# Altium PCB MB1936.PcbDoc (part 8 of 13)
Units mm, origin at the board's own origin, x right, y up, seen from the top; angles counter-clockwise.
Board outline 172 x 137 mm, 6 copper layers (Top Layer, Signal Layer 1, Signal Layer 2, Signal Layer 3, Signal Layer 4, Bottom Layer), stack 1.549 mm thick; 859 components, 672 nets, 3477 pads, 2222 vias.
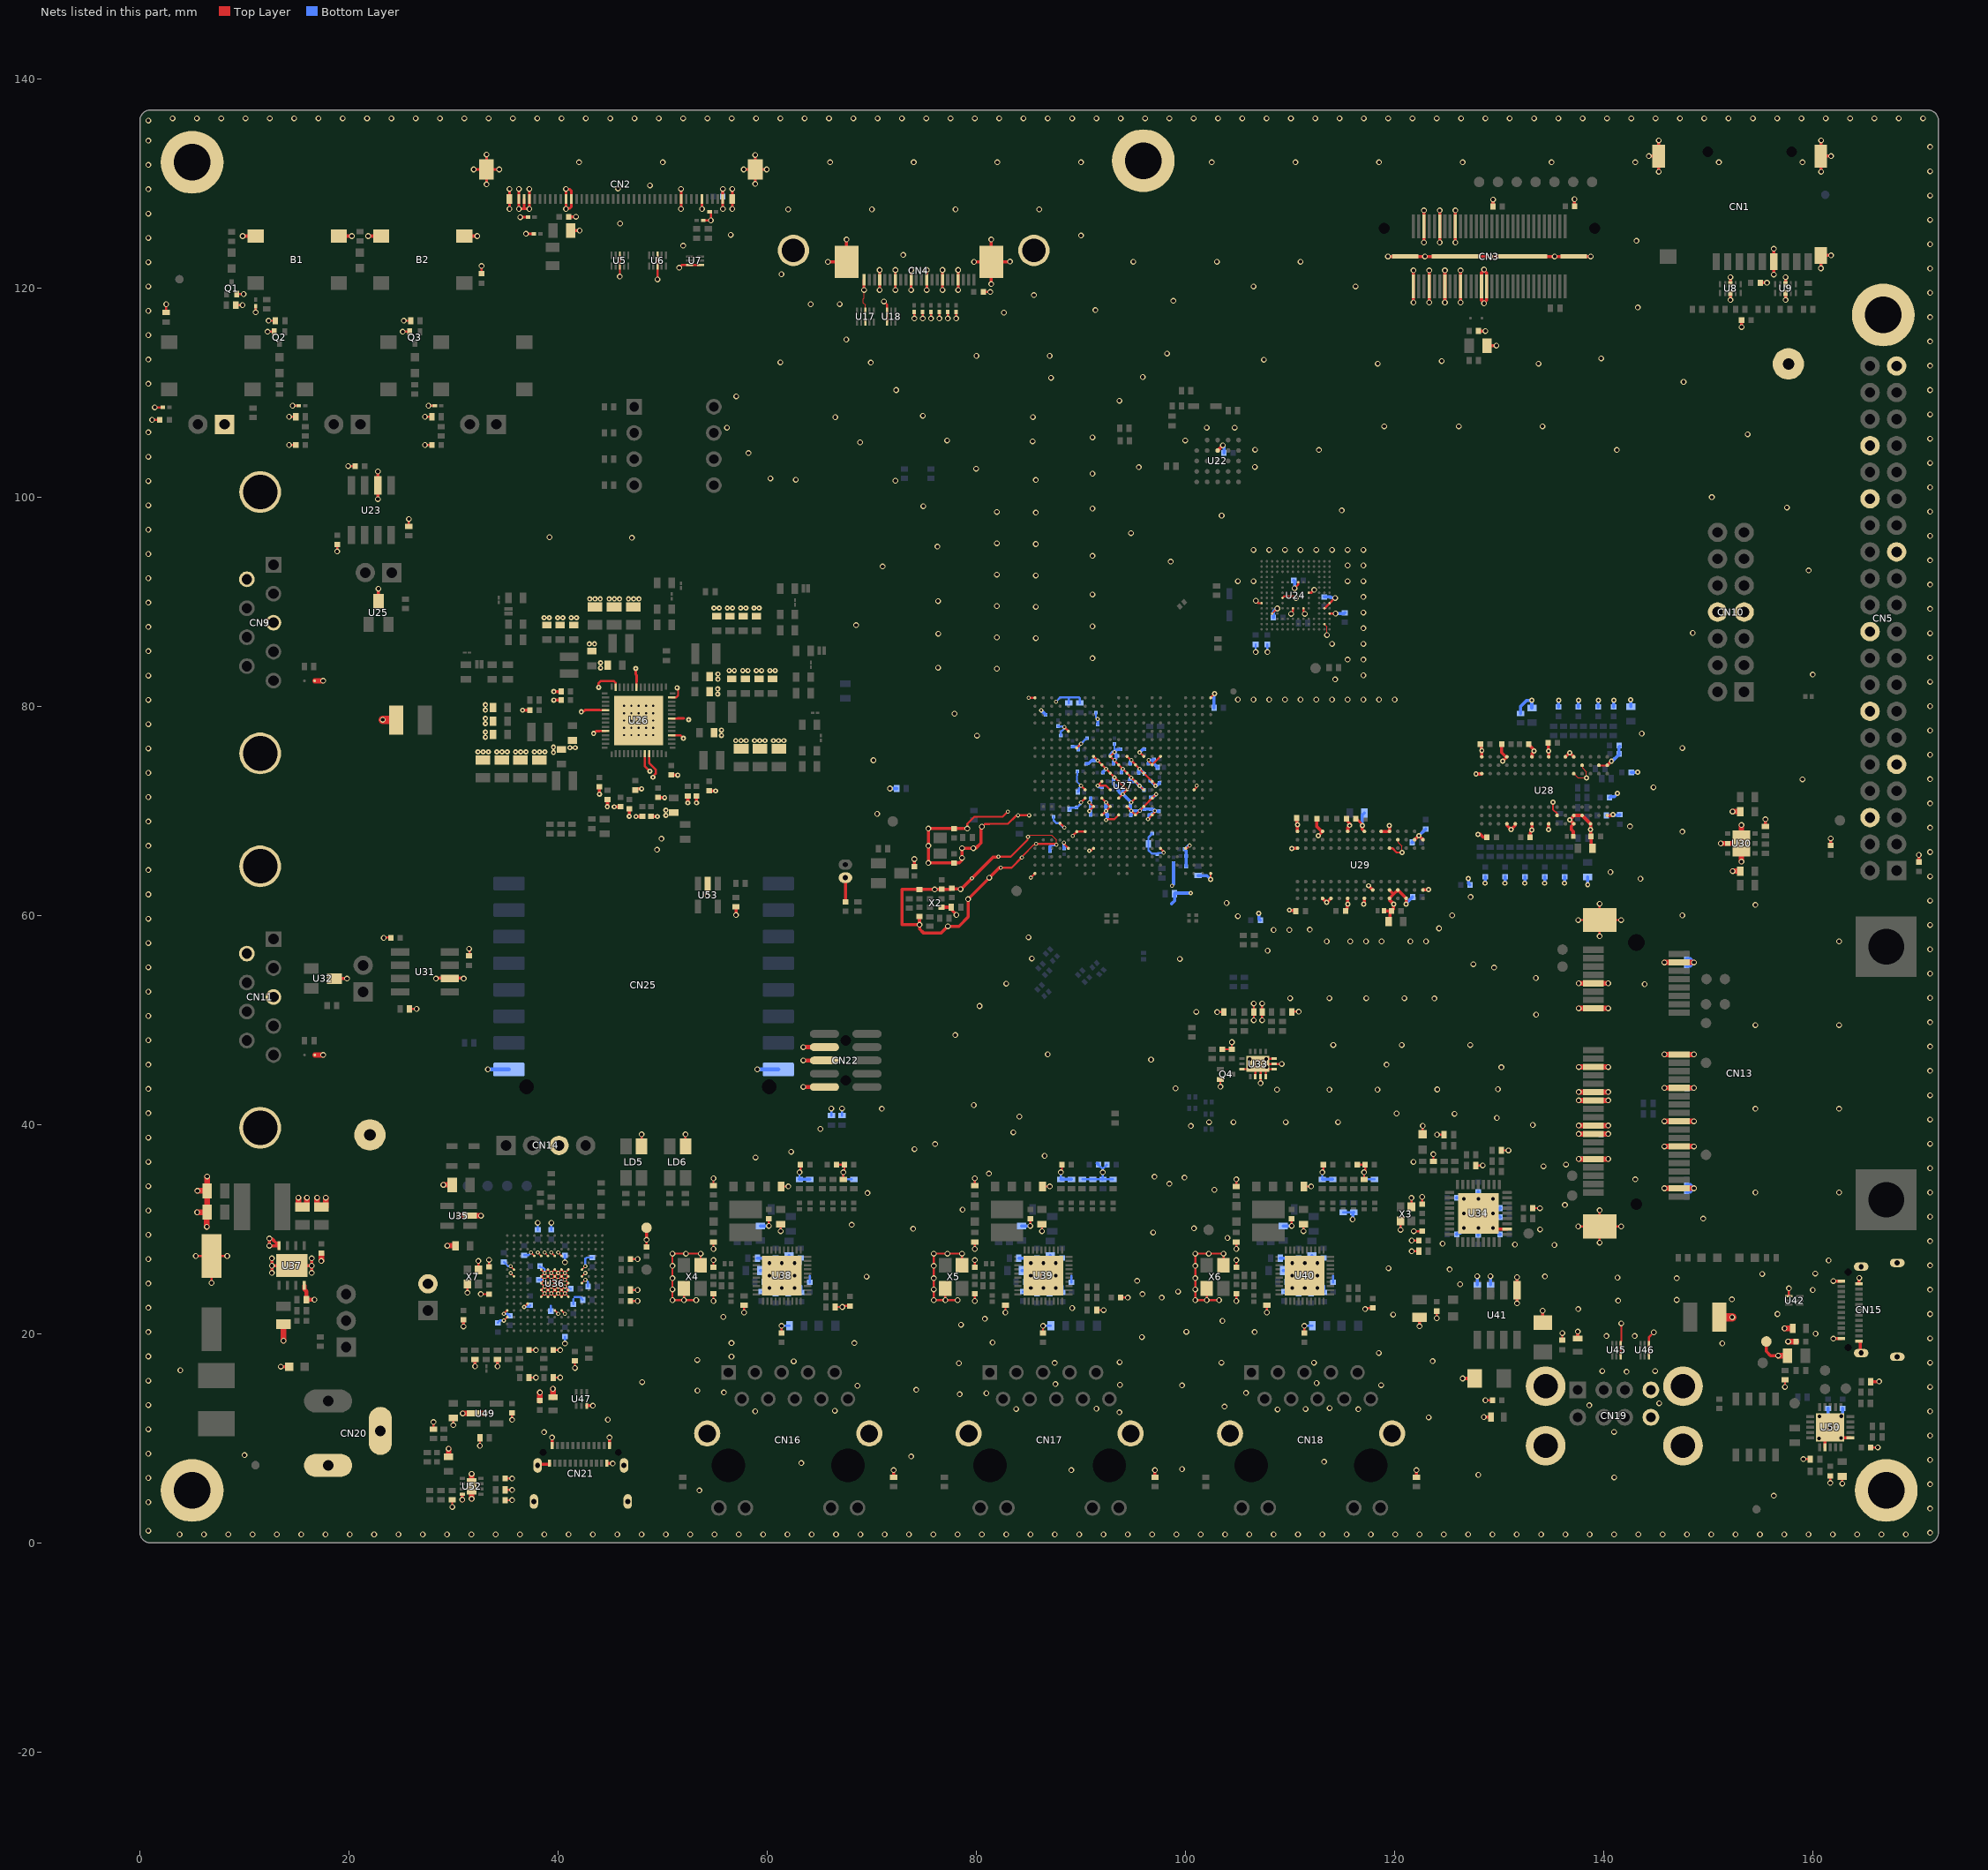
[diagram p12: the nets of this part, all layers, seen from the top]

## Via types
v1: diameter 0.55, hole 0.35, Top Layer to Bottom Layer, 1661 vias
v2: diameter 0.4, hole 0.2, Top Layer to Bottom Layer, tented both sides, 253 vias
v3: diameter 0.5, hole 0.2, Top Layer to Bottom Layer, 157 vias
v4: diameter 0.5, hole 0.25, Top Layer to Bottom Layer, 145 vias
v5: diameter 0.4, hole 0.2, Top Layer to Bottom Layer, 6 vias

## Nets (pads, with @x,y where several pads share a name; then routed paths per layer and width w, separated by ;. In a path a pad name is that pad's centre, name@x,y a point inside that pad or via, vN(x,y) a via of type N, cw(c..) or ccw(c..) an arc to the next point about the centre after c; other vN are vias at no path point) (continued)
GND: B1.3 B1.4 B2.1 B2.2 C1.1 C2.1 C3.1 C4.1 C5.1 C6.1 C7.1 C8.1 C9.1 C10.1 C11.1 C12.1 C13.1 C14.2 C15.1 C16.1 C17.1 C18.1 C21.1 C22.1 C23.1 C24.1 C26.1 C27.1 C28.1 C29.1 C30.1 C32.1 C34.1 C35.1 C36.1 C37.1 C38.1 C39.1 C40.1 C41.1 C42.2 C43.2 C44.1 C45.1 C46.1 C47.1 C48.1 C49.1 C50.1 C51.1 C52.1 C53.1 C54.1 C56.1 C57.1 C58.1 C59.1 C60.1 C61.1 C62.1 C63.2 C64.1 C65.2 C66.1 C67.1 C68.1 C69.2 C70.1 C71.1 C72.2 C73.2 C74.2 C75.2 C76.1 C77.1 C78.1 C79.1 C80.1 C81.2 C82.1 C83.1 C84.1 C85.1 C86.2 C87.1 C88.1 C89.1 C90.1 C91.1 C92.2 C93.1 C94.1 C95.1 C96.1 C99.1 C100.2 C101.1 C102.1 C103.1 C104.1 C105.1 C106.1 C107.1 C108.1 C109.1 C110.1 C111.1 C112.1 C113.2 C114.1 C115.1 C116.1 C117.1 C118.1 C119.1 C120.1 C121.1 C122.1 C123.1 C124.1 C125.1 C126.1 C127.2 C128.1 C129.1 C130.1 C131.1 C132.1 C133.2 C134.1 C135.1 C136.1 C137.1 C138.1 C139.1 C140.1 C141.1 C142.1 C143.1 C144.1 C145.1 C146.1 C147.2 C148.1 C149.1 C150.1 C152.1 C153.1 C154.1 C155.1 C156.1 C157.2 C158.2 C159.1 C160.1 C161.1 C163.1 C164.2 C165.1 C166.1 C168.1 C169.1 C170.1 C171.1 C172.1 C173.1 C174.1 C175.1 C177.1 C178.1 C179.1 C180.1 C181.1 C182.1 C183.1 C184.1 C185.1 C186.1 C187.1 C188.1 C189.1 C190.1 C191.1 C192.1 C193.1 C194.1 C195.1 C196.1 C197.1 C198.1 C199.1 C200.2 C201.1 C202.1 C203.1 C204.2 C205.1 C206.1 C207.1 C208.1 C209.1 C210.1 C211.1 C212.1 C213.1 C214.1 C215.2 C216.1 C217.1 C218.1 C219.2 C220.1 C221.1 C222.1 C223.1 C224.1 C225.1 C226.1 C227.1 C228.1 C229.2 C230.2 C231.1 C232.1 C233.2 C234.1 C235.1 C236.1 C237.1 C238.1 C239.1 C240.1 C241.2 C242.1 C243.1 C244.1 C245.1 C246.1 C247.1 C248.1 C249.1 C250.1 C251.1 C252.1 C253.1 C254.1 C255.1 C256.1 C257.1 C258.1 C259.1 C260.1 C261.1 C262.1 C264.1 C265.2 C266.2 C267.2 C268.2 C269.1 C270.1 C271.1 C272.2 C273.1 C274.2 C275.1 C276.1 C277.1 C278.1 C279.2 C280.2 C281.2 C282.2 C283.1 C284.1 C285.1 C286.1 C287.1 C288.1 C289.2 C290.2 C291.1 C292.1 C293.1 C294.1 C295.1 C296.1 C297.2 C298.2 C299.2 C300.1 C301.1 C302.1 C303.2 C304.1 C305.1 C306.1 C307.1 C308.1 C309.1 C310.2 C311.2 C312.1 C313.1 C314.1 C315.1 C316.1 C317.1 C318.1 C319.1 C320.1 C321.1 C322.1 C323.1 C324.2 C325.2 C326.2 C327.2 C328.2 C329.2 C330.1 C331.1 C332.1 C333.2 C334.2 C335.2 C336.1 CN1.6 CN1.10 CN1.11 CN1.12 CN2.1 CN2.5 CN2.9 CN2.30 CN2.31 CN2.38 CN2.39 CN2.40 CN2.41 CN2.42 CN2.43 CN2.44 CN3.1 CN3.6 CN3.7 CN3.12 CN3.13 CN3.18 CN3.19 CN3.27 CN3.29 CN3.61 CN3.62 CN3.63 CN3.64 CN4.1 CN4.4 CN4.7 CN4.10 CN4.13 CN4.16 CN4.19 CN4.S1 CN4.S2 CN5.6 CN5.9 CN5.14 CN5.20 CN5.25 CN5.30 CN5.34 CN5.39 CN6.1 CN9.3 CN9.6 CN9.MT1 CN9.MT2 CN10.7 CN10.8 CN11.3 CN11.6 CN11.MT1 CN11.MT2 CN12.2 CN13.4 CN13.9 CN13.15 CN13.18 CN13.21 CN13.26 CN13.27 CN13.29 CN13.34 CN13.35 CN13.37 CN13.40 CN13.43 CN13.50 CN13.53 CN13.54 CN14.3 CN15.A1 CN15.A12 CN15.B1 CN15.B12 CN15.SH1 CN15.SH2 CN15.SH3 CN15.SH4 CN16.15 CN16.16 CN17.15 CN17.16 CN18.15 CN18.16 CN19.B4 CN19.CH1 CN19.CH2 CN19.CH3 CN19.CH4 CN19.T4 CN20.2 CN20.3 CN21.A1 CN21.A12 CN21.B1 CN21.B12 CN21.SH1 CN21.SH2 CN21.SH3 CN21.SH4 CN22.3 CN22.5 CN22.9 CN25.8 CN25.9 JP3.2 LD5.3 LD6.3 LD11.2 LD12.2 pad.1 pad.5 pad.7 Q1.2 Q2.2 Q3.2 Q4.2 R8.1 R16.1 R17.1 R24.1 R25.1 R26.2 R34.2 R62.1 R63.1 R72.2 R73.1 R81.2 R82.2 R83.2 R84.1 R85.1 R95.1 R96.2 R98.1 R102.1 R105.1 R113.1 R123.1 R126.2 R127.2 R128.2 R158.1 R159.1 R160.1 R170.1 R194.2 R199.2 R200.2 R201.2 R204.1 R205.2 R206.2 R213.2 R215.2 R220.1 R221.2 R222.2 R226.2 R229.1 R231.2 R234.1 R236.1 R238.1 R239.1 R242.2 R244.1 R250.2 R251.2 R252.1 R262.1 R274.2 R285.1 R287.2 R292.1 R293.1 R294.1 R295.1 R296.1 R297.1 R298.1 R299.1 R300.1 R301.1 R302.1 R303.1 R304.1 R305.1 R306.1 R307.1 R320.1 R321.1 R322.1 R323.1 R324.1 R327.1 SB2.1 SB3.1 TP8.1 TP22.1 TP30.1 TP34.1 U1.2 U2.2 U3.2 U4.2 U5.3 U5.8 U6.3 U6.8 U7.3 U7.4 U8.3 U8.8 U9.3 U9.8 U10.2 U11.2 U12.2 U13.2 U14.2 U15.2 U16.2 U17.3 U17.8 U18.3 U18.4 U19.2 U20.2 U21.2 U22.B3 U23.2 U24.A6 U24.C4 U24.E7 U24.G5 U24.H10 U24.J5 U24.K8 U24.N2 U24.N5 U24.P4 U24.P6 U25.3 U26.9 U26.10 U26.18 U26.22 U26.27 U26.36 U26.41 U26.47 U26.52 U26.57 U27.A1 U27.A22 U27.AB1 U27.AB22 U27.E5 U27.G6 U27.H8 U27.H10 U27.H12 U27.H14 U27.H16 U27.J9 U27.J11 U27.J13 U27.J15 U27.K10 U27.K12 U27.K14 U27.L9 U27.L11 U27.L13 U27.L15 U27.M7 U27.M10 U27.M12 U27.M14 U27.M20 U27.N7 U27.N9 U27.N11 U27.N13 U27.N15 U27.P8 U27.P10 U27.P12 U27.P14 U27.R9 U27.R11 U27.R13 U27.R15 U27.T4 U27.U6 U27.U7 U27.W5 U27.W8 U27.W16 U27.W19 U28.A2 U28.A8 U28.B2 U28.C9 U28.D2 U28.D8 U28.E1 U28.E3 U28.E8 U28.E9 U28.F1 U28.G8 U28.H1 U28.H9 U28.K1 U28.K9 U28.M9 U28.N1 U28.N9 U28.T1 U28.T3 U29.A2 U29.A8 U29.B2 U29.C9 U29.D2 U29.D8 U29.E1 U29.E3 U29.E8 U29.E9 U29.F1 U29.G8 U29.H1 U29.H9 U29.K1 U29.K9 U29.M9 U29.N1 U29.N9 U29.T1 U29.T3 U30.2 U30.EP U31.2 U32.3 U33.2 U33.3 U33.4 U33.5 U33.6 U33.7 U33.14 U33.15 U34.11 U34.37 U35.2 U36.D5 U36.D6 U36.D7 U36.D8 U36.D9 U36.F2 U36.F6 U36.F7 U36.F8 U36.F9 U36.F10 U36.F12 U36.G2 U36.G6 U36.G7 U36.G8 U36.G9 U36.G10 U36.G12 U36.H6 U36.H7 U36.H8 U36.H9 U36.H10 U36.H12 U36.J6 U36.J7 U36.J8 U36.J9 U36.J10 U36.K6 U36.K7 U36.K8 U36.K9 U36.K10 U36.L4 U36.M1 U36.M8 U36.M9 U36.N1 U37.4 U37.8 U37.9 U38.41 U39.41 U40.41 U41.1 U42.4 U43.2 U44.2 U45.3 U45.4 U46.3 U46.4 U47.3 U48.2 U49.2 U50.12 U50.16 U50.21 U51.2 U52.8 U52.9 U53.2 X2.2 X3.2 X3.4 X4.2 X4.4 X5.2 X5.4 X6.2 X6.4 X7.2 X7.4 | length 825.9
  Top Layer w0.09: v2(84.925,67.5) 85.12,67.695 87.155,67.695 87.183,67.667 87.65,67.2 v2(87.65,66.75) ; U24.N2@113.275,87.85 113.525,87.6 v1(113.525,86.8) ; U29.A8@122.728,62.482 v4@123.061,62.482 ; U28.F1@136.307,75.146 U28.F1@136.326,75.127
  Top Layer w0.1: v1(69.25,119.8) 69.25,119.001 69.175,118.926 69.175,118.574 69.375,118.374 U17.3@69.375,117.775 ; v4@110.15,66.435 v4@110.155,66.43 ; v4@110.155,66.402 v4@110.155,66.43 ; v4@110.163,66.422 v4@110.155,66.43 ; U29.D2@120.3,67.225 120.343,67.183 120.343,66.972 120.7,66.615 v4(120.7,66.025) ; v4@127.782,73.538 v4@127.787,73.533 ; v4@127.787,73.505 v4@127.787,73.533 ; v4@127.795,73.525 v4@127.787,73.533 ; U28.E3@137.125,73.525 137.158,73.525 137.533,73.15 138.31,73.15 138.332,73.128 138.332,73.718 137.975,74.075 137.975,74.285 U28.D2@137.932,74.328
  Top Layer w0.15: v2(34.8,21.25) U36.N1@35.125,21.575 ; v2(34.8,21.9) U36.M1@35.125,22.225 ; v2(35.45,25.8) U36.G2@35.775,25.475 ; v2(35.45,26.45) U36.F2@35.775,26.125 ; v2(36.75,22.55) U36.L4@37.075,22.875 ; v2(37.4,27.75) U36.D5@37.725,27.425 ; v2(38.05,27.75) U36.D6@38.375,27.425 ; U36.K6@38.375,23.525 v2(38.7,23.85) ; U36.F6@38.375,26.125 v2(38.7,25.8) ; v2(38.7,27.75) U36.D7@39.025,27.425 ; v2(39.35,27.75) U36.D8@39.675,27.425 ; U36.M8@39.675,22.225 v2(40,21.9) ; v2(40,27.75) U36.D9@40.325,27.425 ; U36.M9@40.325,22.225 v2(40.65,21.9) ; U36.K10@40.975,23.525 v2(40.65,23.85) ; U36.F10@40.975,26.125 v2(40.65,25.8) ; U36.H12@42.275,24.825 v2(42.6,25.15) ; U36.G12@42.275,25.475 v2(42.6,25.8) ; U36.F12@42.275,26.125 v2(42.6,26.45) ; v2(84.345,65.531) 84.345,65.598 84.448,65.702 84.448,65.708 85.465,66.725 85.523,66.725 85.636,66.838 v2(85.703,66.838) ; v4(135.125,70.8) 135.125,70.125 135.525,69.725 U28.G8@135.525,69.55 ; U28.B2@139.525,74.35 139.566,74.31 140.285,74.31 U28.A2@140.325,74.35 ; v2(38.7,23.85) U36.K7@39.025,23.525 v2(39.35,23.85) ; v2(38.7,23.85) U36.J6@38.375,24.175 v2(38.7,24.5) ; v2(38.7,23.85) U36.J7@39.025,24.175 ; v2(38.7,24.5) U36.J7@39.025,24.175 ; v2(38.7,24.5) U36.H6@38.375,24.825 v2(38.7,25.15) ; v2(38.7,24.5) U36.H7@39.025,24.825 ; v2(38.7,25.15) U36.H7@39.025,24.825 ; v2(38.7,25.15) U36.G6@38.375,25.475 v2(38.7,25.8) ; v2(38.7,25.15) U36.G7@39.025,25.475 ; v2(38.7,25.8) U36.G7@39.025,25.475 ; v2(38.7,25.8) U36.F7@39.025,26.125 v2(39.35,25.8) ; U36.J7@39.025,24.175 v2(39.35,23.85) ; U36.J7@39.025,24.175 v2(39.35,24.5) ; U36.H7@39.025,24.825 v2(39.35,24.5) ; U36.H7@39.025,24.825 v2(39.35,25.15) ; U36.G7@39.025,25.475 v2(39.35,25.15) ; U36.G7@39.025,25.475 v2(39.35,25.8) ; v2(39.35,23.85) U36.K8@39.675,23.525 v2(40,23.85) ; v2(39.35,23.85) U36.J8@39.675,24.175 ; v2(39.35,24.5) U36.J8@39.675,24.175 ; v2(39.35,24.5) U36.H8@39.675,24.825 ; v2(39.35,25.15) U36.H8@39.675,24.825 ; v2(39.35,25.15) U36.G8@39.675,25.475 ; v2(39.35,25.8) U36.G8@39.675,25.475 ; v2(39.35,25.8) U36.F8@39.675,26.125 v2(40,25.8) ; U36.J8@39.675,24.175 v2(40,23.85) ; U36.J8@39.675,24.175 v2(40,24.5) ; U36.H8@39.675,24.825 v2(40,24.5) ; U36.H8@39.675,24.825 v2(40,25.15) ; U36.G8@39.675,25.475 v2(40,25.15) ; U36.G8@39.675,25.475 v2(40,25.8) ; v2(40,23.85) U36.K9@40.325,23.525 v2(40.65,23.85) ; v2(40,23.85) U36.J9@40.325,24.175 ; v2(40,24.5) U36.J9@40.325,24.175 ; v2(40,24.5) U36.H9@40.325,24.825 ; v2(40,25.15) U36.H9@40.325,24.825 ; v2(40,25.15) U36.G9@40.325,25.475 ; v2(40,25.8) U36.G9@40.325,25.475 ; v2(40,25.8) U36.F9@40.325,26.125 v2(40.65,25.8) ; U36.J9@40.325,24.175 v2(40.65,23.85) ; U36.J9@40.325,24.175 v2(40.65,24.5) ; U36.H9@40.325,24.825 v2(40.65,24.5) ; U36.H9@40.325,24.825 v2(40.65,25.15) ; U36.G9@40.325,25.475 v2(40.65,25.15) ; U36.G9@40.325,25.475 v2(40.65,25.8) ; v2(40.65,23.85) U36.J10@40.975,24.175 v2(40.65,24.5) ; v2(40.65,24.5) U36.H10@40.975,24.825 v2(40.65,25.15) ; v2(40.65,25.15) U36.G10@40.975,25.475 v2(40.65,25.8)
  Top Layer w0.2: v1(1.425,108.575) 1.438,108.563 U21.2@2.188,108.563 ; R26.2@2.5,117.637 2.5,118.4 v1(2.525,118.425) ; v1(5.35,27.425) C127.2@6.85,27.425 ; v1(6.85,24.85) C127.2@6.85,27.425 ; v1(8.35,27.425) C127.2@6.85,27.425 ; R8.1@9.173,118.35 v1(9.823,118.35) ; Q1.2@9.273,119.4 v1(9.923,119.4) ; v1(11.073,117.663) U10.2@11.073,118.25 U10.2@11.073,118.263 ; v1(12.213,115.8) Q2.2@12.863,115.8 ; v1(12.313,116.85) R16.1@12.963,116.85 ; v1(14.263,104.975) C11.1@14.913,104.975 ; v1(14.263,107.675) R24.1@14.913,107.675 ; v1(14.6,108.725) U19.2@15.2,108.725 ; v1(18.869,94.796) C15.1@18.869,95.461 C15.1@18.869,95.471 ; v1(19.919,102.956) C14.2@20.594,102.956 ; v1@23.37,57.9 C96.1@24.045,57.9 ; v1(25.137,115.8) Q3.2@25.787,115.8 ; v1(25.238,116.85) R17.1@25.888,116.85 ; R34.2@25.721,97.216 v1(25.721,97.891) ; R81.2@25.79,51.048 v1(26.465,51.048) ; v1(27.263,104.975) C12.1@27.913,104.975 ; v1(27.263,107.675) R25.1@27.913,107.675 ; v1(27.6,108.725) U20.2@28.2,108.725 ; R226.2@28.07,10.875 v1(28.07,11.55) ; v1(29.87,3.425) R242.2@29.87,4.1 ; v1(29.975,11.25) C165.1@29.975,11.925 ; v1(31.325,23.905) X7.2@31.325,24.75 ; C100.2@31.53,56.175 v1@31.53,56.85 ; v1(32.37,26.95) 32.37,26.105 X7.4@32.375,26.1 ; v1(32.525,9.275) R229.1@32.525,10.05 ; v1(32.6,23.775) C140.1@33.395,23.775 ; C133.2@33.395,26.375 v1(33.395,27.05) ; C173.1@34.925,4.075 v1(35.6,4.075) ; R239.1@34.925,5.05 v1(35.6,5.05) ; C172.1@34.925,6.15 v1(35.6,6.15) ; v1(35.6,11.75) C166.1@35.6,12.425 ; R221.2@37.205,15.8 v1(37.88,15.8) ; C157.2@37.205,18.425 v1(37.88,18.425) ; R222.2@39.525,15.8 v1(40.2,15.8) ; C158.2@39.525,18.425 v1(40.2,18.425) ; v1(41.6,16.725) C160.1@41.6,17.4 ; v1(45.9,121.075) U5.8@45.9,122.075 U5.3@45.9,123.125 ; C145.1@46.925,23.125 v1(47.6,23.125) ; R194.2@46.925,24.175 v1(47.6,24.175) ; C132.1@46.925,27.125 v1(47.6,27.125) ; LD5.3@47.975,37.9 v1(47.975,39.05) ; C131.1@48.45,28.3 v1(48.45,28.975) ; v1(49.5,120.8) U6.8@49.5,122.075 U6.3@49.5,123.125 ; U26.27@50.87,80.827 51.279,80.827 51.47,81.018 51.47,81.737 v3@51.516,81.783 ; v3(51.37,81.757) v3@51.427,81.7 ; v1(51.575,121.925) 51.85,122.2 U7.3@52.575,122.2 U7.4@53.625,122.2 ; X4.2@52.025,24.325 v1(52.025,23.2) ; LD6.3@52.175,37.9 v1(52.175,39.05) ; v1(53.2,23.2) v1(52.025,23.2) ; X4.4@53.625,26.525 v1(53.625,27.65) v1(52.225,27.65) v1(50.925,27.65) v1(50.925,26.475) v1(50.925,25.3) v1(50.925,24.225) v1(50.925,23.2) v1(52.025,23.2) ; U3.2@53.875,126.45 53.878,126.453 54.478,126.453 v1@54.488,126.463 ; U1.2@54.488,127.275 54.6,127.163 v1(54.6,126.45) ; v1(54.85,23.125) C137.1@54.85,23.8 ; C134.1@54.85,26.35 v1(54.85,27.025) ; v1(54.85,28.095) R158.1@54.85,28.77 ; R126.2@54.85,34.17 v1(54.85,34.845) ; v1(57.775,22.025) R199.2@57.775,22.7 ; v1(60.15,30.3) C123.1@60.15,30.975 ; v1(61.275,29.8) C120.1@61.275,30.475 ; C111.1@61.32,34.07 v1(62.015,34.07) ; C152.1@61.365,20.075 v1(61.365,20.75) ; v1(63.075,35.425) 63.175,35.525 C103.1@63.175,36.17 ; R205.2@66.495,22.55 v1(67.17,22.55) 67.27,22.65 C141.1@67.9,22.65 ; C104.1@66.625,36.17 67.355,36.17 C109.1@67.375,36.15 67.375,35.525 v1(67.275,35.425) R113.1@67.275,34.75 ; U17.8@69.375,116.725 U17.3@69.375,117.775 ; v1(71.15,118.7) 71.45,118.4 U18.3@71.45,117.775 U18.4@71.45,116.725 ; v1(74.06,117.062) U11.2@74.06,117.687 ; v1(74.86,117.062) U12.2@74.86,117.687 ; v1(75.66,117.062) U13.2@75.66,117.687 ; v1(76.46,117.062) U14.2@76.46,117.687 ; X5.2@77.025,24.325 v1(77.025,23.2) ; v1(77.26,117.062) U15.2@77.26,117.687 ; v1(78.06,117.062) U16.2@78.06,117.687 ; v1(78.2,23.2) v1(77.025,23.2) ; X5.4@78.625,26.525 v1(78.625,27.65) v1(77.225,27.65) v1(75.925,27.65) v1(75.925,26.475) v1(75.925,25.3) v1(75.925,24.225) v1(75.925,23.2) v1(77.025,23.2) ; v1(79.125,68.3) 79.125,68.75 79.8,69.425 82.507,69.425 v2(83.002,69.92) ; v1(79.85,23.125) C138.1@79.85,23.8 ; C135.1@79.85,26.35 v1(79.85,27.025) ; v1(79.85,28.095) R159.1@79.85,28.77 ; R127.2@79.85,34.17 v1(79.85,34.845) ; v1(80.525,68.475) 80.568,68.475 80.818,68.725 81.262,68.725 81.287,68.75 83.012,68.75 83.784,69.522 83.94,69.522 v2(83.978,69.56) v2(85.046,69.56) ; C7.1@80.65,119.6 v1(81.325,119.6) ; v2(82.1,65.6) 83.28,65.6 83.703,66.023 84.887,67.207 84.887,67.462 v2(84.925,67.5) ; v2(82.325,64.55) 83.364,64.55 v2(84.345,65.531) ; v1(82.775,22.025) R200.2@82.775,22.7 ; v2(85,80.805) 85.005,80.8 U27.A1@85.6,80.8 ; v1(85.15,30.3) C124.1@85.15,30.975 ; v2(85.2,63.6) U27.AB1@85.6,64 ; v2(85.703,66.838) 87.508,66.838 87.596,66.75 v2(87.65,66.75) ; v1(86.275,29.8) C121.1@86.275,30.475 ; C112.1@86.32,34.07 v1(87.015,34.07) ; C153.1@86.365,20.075 v1(86.365,20.75) ; U27.T4@88,68.8 v2(88.4,68.4) ; v1(88.075,35.425) 88.175,35.525 C105.1@88.175,36.17 ; v2(88.37,66.944) 88.408,66.905 88.408,66.792 U27.W5@88.8,66.4 ; v2(88.4,78) U27.E5@88.8,77.6 ; v2(89.2,67.6) U27.U6@89.6,68 U27.U7@90.4,68 ; U27.G6@89.6,76 v2(90,76.4) ; v2(90,70.8) U27.N7@90.4,71.2 ; v2(90,72.4) U27.M7@90.4,72 ; v2(90.788,66.173) 90.827,66.211 90.984,66.211 91.173,66.4 U27.W8@91.2,66.4 ; v2@90.8,70 U27.P8@91.2,70.4 v2(90.8,70.8) ; U27.H8@91.2,75.2 v2(91.6,74.8) U27.J9@92,74.4 v2(92.4,74) v2@93.225,73.175 ; R206.2@91.495,22.25 v1(92.17,22.25) ; U27.R9@92,69.6 92.025,69.6 v2(92.4,69.975) 92.8,70.375 U27.P10@92.8,70.4 v2(92.4,70.8) U27.N9@92,71.2 ; U27.L9@92,72.8 v2(91.6,72.4) 92.4,72.4 U27.M10@92.8,72 ; v2@92.454,69.1 v2(92.4,69.1) 92.5,69.2 93.2,69.2 U27.R11@93.6,69.6 ; v2(93.2,73.175) v2@93.225,73.175 ; v2(93.201,75.6) 92.801,75.2 v2@93.226,74.775 ; v2(93.226,74.85) v2@93.226,74.775 ; U27.N11@93.6,71.2 v2(94,71.6) U27.M12@94.4,72 v2@93.225,73.175 ; C142.1@93.8,23.45 v1(94.475,23.45) ; U27.P12@94.4,70.4 v2(94.8,70) U27.R13@95.2,69.6 95.787,70.188 ; U27.H12@94.407,75.2 94.757,74.85 v2(94.832,74.85) 94.832,74.775 v2(95.607,74) U27.L15@96.807,72.8 ; v2(94.8,70.8) U27.N13@95.2,71.2 ; v2@95.625,75.575 U27.H14@96,75.2 ; U27.P14@96,70.4 95.787,70.188 ; U27.M14@96,72 95.626,72.375 94.851,73.15 v2(94.801,73.15) 94.801,73.2 v2(94.001,74) v2@93.226,74.775 ; v2(96.4,69.2) v2@97.05,69.85 ; v2(96.475,74.85) 96.514,74.812 96.514,74.686 U27.J15@96.8,74.4 U27.H16@97.6,75.2 ; U27.L15@96.8,72.8 97.087,72.513 97.087,72.413 v2(97.125,72.375) ; v2(97.175,71.575) 95.787,70.188 ; U27.W16@97.6,66.4 97.862,66.138 97.862,66.038 v2(97.9,66) ; U27.W19@100,66.4 100.019,66.419 100.144,66.419 v2(100.4,66.675) ; U27.M20@100.825,72 U27.M20@100.8,72 101.018,72.218 101.018,72.343 v2(101.075,72.4) v2@101.075,72.329 ; X6.2@102.025,24.325 v1(102.025,23.2) ; v4(102.4,63.45) U27.AB22@102.4,64 ; U27.A22@102.4,80.8 102.4,80.811 102.75,81.161 v4@102.75,81.175 ; v1(103.025,50.74) 103.65,50.74 R82.2@103.675,50.765 ; v1(103.2,23.2) v1(102.025,23.2) ; v1(103.325,43.615) Q4.2@103.325,44.29 ; C101.1@103.525,47.19 C102.1@104.425,47.19 v1(104.425,47.865) ; X6.4@103.625,26.525 v1(103.625,27.65) v1(102.225,27.65) v1(100.925,27.65) v1(100.925,26.475) v1(100.925,25.3) v1(100.925,24.225) v1(100.925,23.2) v1(102.025,23.2) ; v1(104.85,23.125) C139.1@104.85,23.8 ; C136.1@104.85,26.35 v1(104.85,27.025) ; v1(104.85,28.095) R160.1@104.85,28.77 ; R128.2@104.85,34.07 v1(104.85,34.745) ; U33.14@105.375,45.29 106.425,45.29 U33.15@106.675,45.54 ; v1(106.525,49.965) 106.525,50.015 R83.2@106.525,50.765 106.525,51.515 v1(106.525,51.565) ; U33.2@106.675,44.59 U33.15@106.675,45.54 ; v1(106.725,90.075) 106.95,89.85 U24.A6@107.275,89.85 ; v1(107.175,43.945) U33.3@107.175,44.59 107.175,45.54 U33.15@106.925,45.79 ; v1(107.325,49.965) 107.325,50.015 R84.1@107.325,50.765 107.325,51.515 v1(107.325,51.565) ; U33.4@107.675,44.59 107.675,45.14 U33.15@107.55,45.265 ; v1(107.775,22.025) R201.2@107.775,22.7 ; U24.C4@108.275,88.85 108.725,89.3 108.735,89.3 v1(108.775,89.34) ; U33.5@108.475,45.29 107.575,45.29 U33.15@107.55,45.265 ; U33.7@108.475,46.29 107.425,46.29 U33.15@106.925,45.79 ; v1(109.2,45.79) U33.6@108.475,45.79 U33.15@107.025,45.79 ; U24.E7@109.275,90.35 109.425,90.5 110.312,90.5 110.487,90.325 v1(110.575,90.325) ; v1(110.1,88.825) 110.1,88.913 110.275,89.088 U24.G5@110.275,89.35 ; v1(110.15,30.3) C125.1@110.15,30.975 ; R85.1@110.175,50.765 110.2,50.79 v1(110.825,50.79) ; v1(110.425,91.275) 110.775,91.625 U24.H10@110.775,91.85 ; v1(111.275,29.8) C122.1@111.275,30.475 ; U24.J5@111.275,89.35 111.275,89.045 111.4,88.92 v1(111.4,88.825) ; C113.2@111.32,34.07 v1(112.015,34.07) ; C154.1@111.365,20.075 v1(111.365,20.75) ; U24.K8@111.775,90.85 112.025,90.85 v1(112.3,91.125) ; v1(113.075,35.425) 113.175,35.525 C106.1@113.175,36.17 ; U24.N5@113.275,89.35 U24.P6@113.775,89.85 114.275,90.35 v1(114.3,90.35) ; U24.P4@113.775,88.85 v1(114.35,88.85) ; C107.1@116.425,36.17 C108.1@117.155,36.17 117.175,36.15 117.175,35.525 v1(117.075,35.425) R123.1@117.075,34.75 ; v1(117.17,22.35) 117.27,22.45 C144.1@117.9,22.45 ; U29.E3@119.5,66.425 119.503,66.422 119.769,66.422 120.18,66.012 120.687,66.012 v4(120.7,66.025) ; v1(120.555,29.93) X3.4@120.555,30.775 ; v1(121.6,32.975) 121.6,32.13 X3.2@121.605,32.125 ; v1(121.625,27.875) R170.1@122.3,27.875 ; v1(121.625,28.9) C128.1@122.3,28.9 ; v1(121.83,29.8) C126.1@122.625,29.8 ; C115.1@122.625,32.4 v1(122.625,33.075) ; LD12.2@122.675,39.075 v1(122.675,39.875) ; R102.1@123.7,36.475 v1(123.7,37.15) ; v1(124.025,21.475) C146.1@124.025,22.15 ; v1(124.05,39.025) R95.1@124.725,39.025 ; R105.1@127.75,36.08 v1(128.425,36.08) ; v1(128.67,13.626) C163.1@129.345,13.626 ; R98.1@130.2,37.525 v1(130.875,37.525) ; C119.1@133.211,32 v1(133.886,32) ; C155.1@136.025,19.375 v1(136.025,20.05) ; v1(137.55,30.25) CN13.54@139.6,30.25 ; v1(137.55,59.55) CN13.53@139.6,59.55 ; v1(139.6,28.7) CN13.54@139.6,30.25 ; v1(139.6,31.8) CN13.54@139.6,30.25 ; v1(139.6,58) CN13.53@139.6,59.55 ; v1(139.6,61.1) CN13.53@139.6,59.55 ; U45.3@141.6,17.9 U45.4@141.6,18.95 141.6,19.2 141.675,19.275 v1(141.675,20.975) ; v1(141.65,30.25) CN13.54@139.6,30.25 ; v1(141.65,59.55) CN13.53@139.6,59.55 ; U46.3@144.3,17.9 U46.4@144.3,18.95 144.3,19.65 v1(144.775,20.125) ; v1(157.325,14.9) R220.1@157.325,15.575 ; U42.4@157.7,23.575 v1(157.7,24.325) ; v1(159.075,8) R231.2@159.75,8 ; v1(161.65,5.725) C171.1@161.65,6.4 ; U50.21@161.65,11.05 U50.21@162.65,10.05 ; v1(162.8,5.67) C170.1@162.8,6.345 ; C168.1@165.525,9.125 v1(166.2,9.125) ; U33.15@106.675,45.54 U33.15@106.925,45.79 ; U33.15@106.925,45.79 U33.15@107.025,45.79 ; U33.15@107.025,45.79 U33.15@107.55,45.265